# Altium PCB OpenFAN_Micro.PcbDoc (continued)
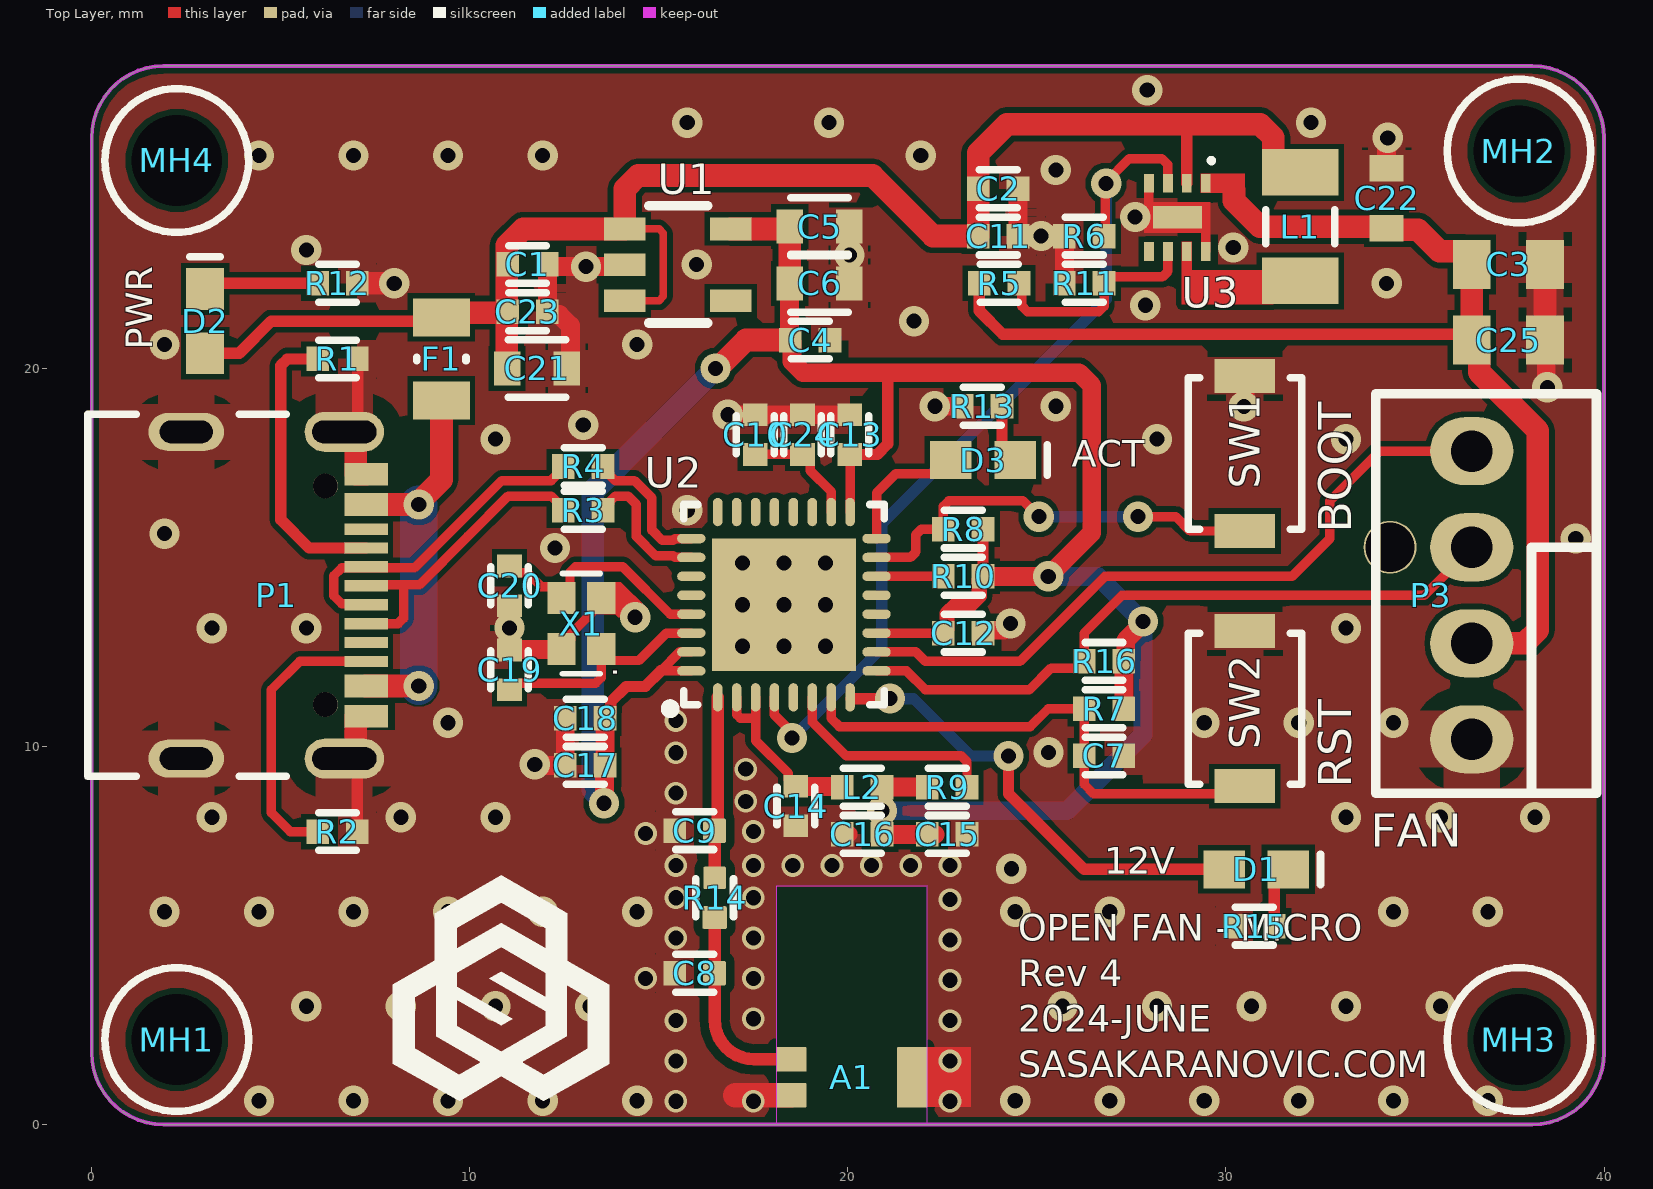
[diagram p0: Top Layer view]
## Footprints (in the part's own frame and the unit in brackets; to place one, negate y for a bottom-side part, rotate by r counter-clockwise, add the part's x,y. Pads: shape width x height; smd on the part's side, far side on the other; paste and mask are expansions set on the pad)
0402#1 [mm] "Chip Resistor, 2-Leads, Body 1,00x0,50mm, IPC Low Density"
  rect 0.6x0.65 smd: 1(-0.525,0) 2(0.525,0)
  silkscreen extent -0.5,-0.5 0.5,0.5, body extent -0.53,-0.28 0.53,0.28, height 0.4
0402#2 [mm] "Chip Resistor, 2-Leads, Body 1,00x0,50mm, IPC Low Density"
  rect 0.6x0.65 smd: 1(-0.525,0)
  rrect15% 0.6x0.65 smd: 2(0.525,0)
  silkscreen extent -0.5,-0.5 0.5,0.5, body extent -0.53,-0.28 0.53,0.28, height 0.4
0402#3 [mm] "Chip Resistor, 2-Leads, Body 1,00x0,50mm, IPC Low Density"
  rrect15% 0.6x0.65 smd: 1(-0.525,0)
  rrect15% 0.6x0.6 smd: 2(0.525,0)
  silkscreen extent -0.5,-0.5 0.5,0.5, body extent -0.53,-0.28 0.53,0.28, height 0.4
"0603 - CAP" [mm]
  rect 0.7x0.9 smd: 1(-0.79,0) 2(0.79,0)
  silkscreen extent -0.76,-0.76 0.76,0.76, body extent -0.8,-0.44 0.8,0.46, height 0.8
0805 [mm]
  rect 1x1.3 smd: 1(-0.97,0) 2(0.97,0)
  body extent -1,-0.65 1,0.66, height 0.73
CD1608-0603 [mm] "Chip Diode; Body 1.6 x 0.8 mm (LxW typ)"
  rect 1.1x1 smd: A(-0.85,0) K(0.85,0)
  silkscreen extent 1.7,-0.4 1.7,0.4, body extent -0.8,-0.4 0.8,0.4, height 0.6
FAN_Connector_4pin [mm] "4 Pin PC Fan Connector Header"
  oval 1.8x2.2 hole 1.1: 1(3.81,0) 2(1.27,0) 3(-1.27,0) 4(-3.81,0)
  round 1.4 hole 1.3: ""(-1.27,-2.16)
  silkscreen extent -5.33,-2.54 5.23,3.3, body extent -5.15,-2.59 5.05,3.25, height 10
FUSE_2114X12N [mm] "Chip FUSE,  2-Leads, Body 2.10x1.35mm, IPC Medium Density"
  rect 1x1.5 smd: 1(-1.1,0) 2(1.1,0)
  silkscreen extent -0.05,-0.65 0.05,0.65, body extent -1.1,-0.75 1.1,0.75, height 1.25
GCT_USB4105-GF-A [mm]
  oval 1x2 hole 0.6 slot 1.4 at 90 deg paste+0: 15(-4.32,0) 17(4.32,0)
  oval 1.05x2.1 hole 0.6 slot 1.7 at 90 deg paste+0: 16(-4.32,4.18) 18(4.32,4.18)
  rect 0.6x1.15 smd: A1/B12(-3.2,4.755) A4/B9(-2.4,4.755) B1/A12(3.2,4.755) B4/A9(2.4,4.755)
  rect 0.3x1.15 smd: A5(-1.25,4.755) A6(-0.25,4.755) A7(0.25,4.755) A8(1.25,4.755) B5(1.75,4.755) B6(0.75,4.755) B7(-0.75,4.755) B8(-1.75,4.755)
  round 0.65 hole 0.65 unplated: ""(-2.89,3.68) ""(2.89,3.68)
  silkscreen extent -4.79,-2.6 4.79,2.65, body extent -4.79,-2.63 4.79,5.08, height 3.31
INDC3218X20N [mm] "Chip Inductor, 2-Leads, Body 3.20x1.80mm, IPC Medium Density"
  rect 1.23x2.02 smd: 1(-1.435,0) 2(1.435,0)
  silkscreen extent -0.45,-0.91 0.45,0.91, body extent -1.7,-1 1.7,1, height 2
MH-M3 [mm]
  round 0 hole 2.4 unplated: ""(0,0)
  silkscreen extent -1.9,-1.9 1.9,1.9
QFN50P500X500X100_HS-33N [mm] "QFN, 32-Leads, Body 5.00x5.00mm, Pitch 0.50mm, Thermal Pad 3.50x3.80mm, IPC Medium Density"
  oval 0.75x0.25 smd: 1(-2.45,1.75) 2(-2.45,1.25) 3(-2.45,0.75) 4(-2.45,0.25) 5(-2.45,-0.25) 6(-2.45,-0.75) 7(-2.45,-1.25) 8(-2.45,-1.75) 17(2.45,-1.75) 18(2.45,-1.25) 19(2.45,-0.75) 20(2.45,-0.25) 21(2.45,0.25) 22(2.45,0.75) 23(2.45,1.25) 24(2.45,1.75)
  oval 0.25x0.75 smd: 9(-1.75,-2.45) 10(-1.25,-2.45) 11(-0.75,-2.45) 12(-0.25,-2.45) 13(0.25,-2.45) 14(0.75,-2.45) 15(1.25,-2.45) 16(1.75,-2.45) 25(1.75,2.45) 26(1.25,2.45) 27(0.75,2.45) 28(0.25,2.45) 29(-0.25,2.45) 30(-0.75,2.45) 31(-1.25,2.45) 32(-1.75,2.45)
  rect 3.5x3.8 smd: 33(0,0)
  silkscreen extent -2.87,-2.65 2.65,3.13, body extent -2.55,-2.55 2.55,2.55, height 1
SON50P200X85_HS-9N [mm] "SON, 8-Leads, Body 2.00x2.00mm, Pitch 0.50mm, Thermal Pad 1.15x0.60mm, IPC Medium Density"
  rect 0.5x0.26 smd: 1(-0.9,0.75) 2(-0.9,0.25) 3(-0.9,-0.25) 4(-0.9,-0.75) 5(0.9,-0.75) 6(0.9,-0.25) 7(0.9,0.25) 8(0.9,0.75)
  rect 0.6x1.3 smd: EP(0,0)
  silkscreen extent -1.55,0.85 -1.45,0.95, body extent -1,-1 1,1, height 0.6
SOT-23-5 [mm]
  rect 1.1x0.6 smd: 1(-1.4,0.94) 2(-1.4,-0.01) 3(-1.4,-0.96) 4(1.4,-0.96) 5(1.4,0.94)
  silkscreen extent -0.76,-1.55 0.79,1.55, body extent -1.4,-1.45 1.4,1.45
Switch-XDTD-0304-215 [mm]
  rect 0.9x1.6 smd: 1(-2.05,0) 2(2.05,0)
  silkscreen extent -2,-1.5 2,1.5, body extent -2,-1.5 2,1.5, height 1.5
W3008C [mm] "RF ANT 2.4GHZ CHIP SOLDER SMD"
  rrect5% 0.8x0.65 smd: 1(1.6,-0.475) 2(1.6,0.475)
  rrect5% 0.8x1.6 smd: 2(-1.6,0)
  Keep-Out Layer region: -2,-5.05 2,-5.05 2,1.2 -2,1.2
  Multi-Layer pour cut-out: -2,1.2 2,1.2 2,1.2 2,-5.05 -2,-5.05 -2,-5.05
  body extent -1.6,-0.8 1.6,0.8, height 1.1
XTAL-4LEAD-2016 [mm]
  rect 0.85x0.75 smd: 1(-0.675,-0.525) 2(0.675,-0.525) 3(0.675,0.525) 4(-0.675,0.525)
  silkscreen extent -1.33,-0.5 1.33,0.5, body extent -1,-0.8 1,0.8, height 0.7

## Part data
A1: library part ANT-W3008C, "2.4GHz Bluetooth, WLAN, Zigbee™ Chip RF Antenna 2.4GHz ~ 2.483GHz 1.3dBi Solder Surface Mount", Distributor Part Number=C581403, Manufacturer="Pulse Electronics", Manufacturer Part Number=W3008C, Distributor=LCSC
C1 C11: "Capacitor", Distributor Part Number=C408132, Manufacturer="Murata Electronics", Manufacturer Part Number=GRM155R61A106ME11D, Temp Rating=X7R, Voltage=10V, Distributor=LCSC
C2 C4 C12 C14 C15 C17 C23: "Capacitor", Distributor Part Number=C155422, Manufacturer="Samsung Electro-Mechanics", Manufacturer Part Number=CL05B104KA5NNNC, Temp Rating=X7R, Voltage=25V, Distributor=LCSC
C3 C25: "Capacitor", Distributor Part Number=C95841, Manufacturer="Samsung Electro-Mechanics", Manufacturer Part Number=CL21B106KOQNNNE, Temp Rating=X7R, Voltage=16V, Distributor=LCSC
C5 C6 C21: "Capacitor", Distributor Part Number=C2959727, Manufacturer="Murata Electronics", Manufacturer Part Number=GRM188Z71A106KA73D, Temp Rating=X7R, Voltage=10V, Distributor=LCSC
C7 C10 C13 C18 C24: "Capacitor", Distributor Part Number=C29266, Manufacturer="Samsung Electro-Mechanics", Manufacturer Part Number=CL05A105KO5NNNC, Temp Rating=X5R, Voltage=16V, Distributor=LCSC
C8 C9: "Capacitor"
C16: "Capacitor", Distributor Part Number=C408132, Manufacturer="Murata Electronics", Manufacturer Part Number=GRM155R61A106ME11D, Voltage=10V, Distributor=LCSC
C19 C20: "Capacitor", Distributor Part Number=C472443, Manufacturer="Samsung Electro-Mechanics", Manufacturer Part Number=CL05C080DB51PNC, Temp Rating=NP0, Voltage=50V, Distributor=LCSC
C22: "Capacitor", Distributor Part Number=C559769, Manufacturer=YAGEO, Manufacturer Part Number=CC0603KRX7R9BB105, Temp Rating=X7R, Voltage=50V, Distributor=LCSC
D1 D3: "Typical RED GaAs LED", Distributor Part Number=C2900098, Manufacturer="ams-OSRAM USA INC.", Manufacturer Part Number="LW Q38G-Q2OO-3K5L-1", Distributor=LCSC
D2: library part LED-0603-5mA-RED, "5mA 26.05mcd 无色透明透镜 -30℃~+85℃ 631nm Red 130° 50mW 2V 0603 Light Emitting Diodes (LED) ROHS", Distributor Part Number=C157741, Manufacturer=Lite-On, Manufacturer Part Number=LTST-C193KRKT-5A, Test Current=5mA, Color=RED, Distributor=LCSC
F1: library part Fuse-PTC-0805-0.5A_6V, "6V 1.1A 40A 2.2A 0805 Resettable Fuses ROHS", Distributor Part Number=C89658, Manufacturer=BOURNS, Manufacturer Part Number=MF-PSMF110X-2, Distributor=LCSC
L1: library part "L-2520-10uH 850mA 480mOhm", "10 µH Shielded Drum Core, Wirewound Inductor 850 mA 480mOhm Max 1008 (2520 Metric)", Distributor Part Number=C3033274, Manufacturer="Pulse Electronics", Manufacturer Part Number=BWMR00252012100M00, Distributor=LCSC
L2: library part "Inductor - 2.2nH", "1.1A 2.2nH 100mΩ 0603 Inductors (SMD) ROHS", Distributor Part Number=C162540, Manufacturer="Murata Electronics", Manufacturer Part Number=LQG15HS2N2B02D, Distributor=LCSC
MH1 MH2 MH3 MH4: library part "Mounting Hole - M3", "Board Mounting Hole"
P1: library part "USB-C Recepticle -USB-TYPE-C-019", "3A 1 Surface Mount 16P Female -25℃~+85℃ Type-C SMD USB Connectors ROHS", Distributor Part Number=C2927039, Manufacturer=DEALON, Manufacturer Part Number=USB-TYPE-C-019, Distributor=LCSC
P3: library part "Header 4-pin Intel Fan", "4 Positions Header Connector 0.100\" (2.54mm) Through Hole Tin", Distributor Part Number=C3025061, Manufacturer=Molex, Manufacturer Part Number=0470531000, Distributor=LCSC
R1 R2 R7 R8 R9 R10 R11: "Resistor", Distributor Part Number=C105872, Manufacturer=YAGEO, Manufacturer Part Number=RC0402FR-075K1L, Power Rating=100mW, Tolerance=1%, Distributor=LCSC
R3 R4: "Resistor", Distributor Part Number=C138021, Manufacturer=YAGEO, Manufacturer Part Number=RC0402FR-0727RL, Power Rating=100mW, Tolerance=1%, Distributor=LCSC
R5: library part "R-0603-44K2 1%", "44.2 kOhms ±1% 0.1W, 1/10W Chip Resistor 0603 (1608 Metric) Moisture Resistant Thick Film", Distributor Part Number=C354260, Manufacturer=YAGEO, Manufacturer Part Number=RC0402FR-0744K2L, Power Rating=100mW, Tolerance=1%, Distributor=LCSC
R6 R16: "Resistor", Distributor Part Number=C60490, Manufacturer=YAGEO, Manufacturer Part Number=RC0402FR-0710KL, Distributor=LCSC
R12: library part "R-0603-470R 1%", "470Ω 100mW Thick Film Resistors ±0.5% ±100ppm/℃ 0603 Chip Resistor - Surface Mount ROHS", Distributor Part Number=C6378047, Manufacturer=YAGEO, Manufacturer Part Number=RC0402FR-10680RL, Power Rating=100mW, Tolerance=1%, Distributor=LCSC
R13 R15: "Resistor", Distributor Part Number=C6378047, Manufacturer=YAGEO, Manufacturer Part Number=RC0402FR-10680RL, Distributor=LCSC
R14: "Resistor", Distributor Part Number=C60485, Manufacturer=YAGEO, Manufacturer Part Number=RC0402JR-070RL, Power Rating=100mW, Tolerance=5%, Distributor=LCSC
SW1 SW2: library part "Switch -XDTD-0304-215", "50mA Surface Mount SPST 100MΩ 100,000 Times 12V 160gf@±50gf SMD Tactile Switches ROHS", Distributor Part Number=C7498203, Manufacturer="Lian Xin Technology", Manufacturer Part Number=XDTD-0304-215, Distributor=LCSC
U1: library part AP7366-33W5-7, "600mA null 3.3V positive 6V SOT-25 Linear Voltage Regulators (LDO) ROHS", Distributor Part Number=C526385, Manufacturer="Diodes Incorporated", Distributor=LCSC, Manufacturer Part Number=AP7366-33W5-7
U2: "Ultra-Low-Power SoC with RISC-V Single-Core CPU 2.4 GHz Wi-Fi (802.11 b/g/n) and Bluetooth® 5 (LE)", Distributor Part Number=C2858491, Manufacturer="Espressif Systems", Manufacturer Part Number=ESP32-C3FH4, Distributor=LCSC
U3: "Boost Switching Regulator IC Positive Adjustable 2.5V 1 Output 750mA (Switch) 8-VFDFN Exposed Pad, 8-MLF®", Distributor Part Number=C144214, Manufacturer="Microchip Technology", Distributor=LCSC, Manufacturer Part Number=MIC2290YML-TR
X1: library part XTAL-40MHz-R940000171, "40MHz 9pF ±10ppm SMD2016-4P Crystals ROHS", Distributor Part Number=C2929402, Manufacturer=TROQ, Manufacturer Part Number=R940000171, Distributor=LCSC

## Via types
v1: diameter 0.8, hole 0.4, Top Layer to Bottom Layer, tented both sides, 99 vias
v2: diameter 0.6, hole 0.4, Top Layer to Bottom Layer, tented both sides, 31 vias
v3: diameter 0.8, hole 0.4, Top Layer to Bottom Layer, tented bottom, 9 vias

## Nets (pads, with @x,y where several pads share a name; then routed paths per layer and width w, separated by ;. In a path a pad name is that pad's centre, name@x,y a point inside that pad or via, vN(x,y) a via of type N, cw(c..) or ccw(c..) an arc to the next point about the centre after c; other vN are vias at no path point)
3V3: C4.2 C5.2 C6.2 C12.2 C13.2 C15.2 C16.2 C17.2 C18.2 L2.2 R7.1 R8.1 R9.1 R10.1 R16.2 U1.5 U2.11 U2.17 U2.31 U2.32 | length 71.8
  Top Layer w0.25: U2.32 15.05,12 15.55,12.5 U2.31 ; C13.2 20.058,17.717 U2.17 ; U2.11 C12.2
  Top Layer w0.3: C18.2 13.725,10.9 13.725,11.175 14.138,11.588 14.638,11.588 15.05,12 ; C13.2 20.775,17.725 21.05,18 21.05,19.886 ; 21.25,19.886 21.25,19.901 ; R10.1 R8.1
  Top Layer w0.4: C12.2 22.625,13.1 22.625,13.516 22.859,13.75 23.241,13.75 23.475,13.984 23.475,14.4 R10.1
  Top Layer w0.5: v1(13.55,8.5) 13.563,8.513 13.563,9.487 C17.2 C18.2 ; C6.2 18.46,20.75 C4.2 18.525,20.7 18.525,20.179 18.818,19.886 21.05,19.886 21.25,19.886 26.114,19.886 26.45,19.55 26.45,15.65 v1(25.3,14.5) R10.1 ; C16.2 v1(20.9,8.3) L2.2 R9.1 ; C16.2@21.1,7.675 C15.2 C15.2@22.3,7.675 ; R7.1 R16.2 27.35,12.3 27.35,12.807 27.804,13.261 v1(27.804,13.304)
  Top Layer w0.6: v1(16.5,20) 16.554,20 17.304,20.75 C4.2@18.46,20.75 ; U1.5 18.41,23.69 C5.2@18.46,23.74 ; C6.2 C5.2@18.46,23.74 ; C5.2 C5.2@18.46,23.74
  Bottom Layer w0.5: v1(20.9,8.3) 25.8,8.3 27.804,10.304 v1(27.804,13.304) 26.608,14.5 v1(25.3,14.5) v1@25.25,14.5
  Bottom Layer w0.6: v1(13.55,8.5) 13.55,8.554 13.25,8.854 13.25,16.75 v1(16.5,20)
5V_USB: C1.2 C2.2 C11.2 C21.2 C23.2 D2.A F1.2 L1.1 U1.1 U1.3 U3.2 | length 43.3
  Top Layer w0.2: U1.3 15.004,21.79 15.122,21.907 15.122,23.573 15.004,23.69 U1.1
  Top Layer w0.3: D2.A 3.9,20.4 4.75,21.25 F1.2@9.1,21.25 ; U3.2 28.963,26.423 29,26.46
  Top Layer w0.6: F1.2 9.375,21.475 11,21.475 C23.2 ; C21.2@10.975,20 C23.2@10.975,21.45 ; C23.2@10.975,21.5 10.975,23.25 11.415,23.69 U1.1 14.1,24.749 14.451,25.1 20.65,25.1 22.25,23.5 C11.2 C2.2 23.45,25.7 24.21,26.46 29,26.46 30.902,26.46 31.253,26.109 31.253,25.497 31.568,25.182 L1.1
BOOT: R8.2 SW1.1 U2.15 | length 11.1
  Top Layer w0.25: U2.15 21.654,15 21.8,15.146 21.8,15.604 21.946,15.75 R8.2 22.525,16.354 22.671,16.5 24.629,16.5 v1(25.05,16.079) ; v1(27.671,16.079) 28.671,16.079 29.05,15.7 SW1.1
  Bottom Layer w0.3: v1@25.25,16.079 v1(27.671,16.079)
CHIP_EN: C7.2 R7.2 SW2.1 U2.7 | length 14
  Top Layer w0.25: U2.7 19.558,10.742 19.775,10.525 24.825,10.525 25.3,11 R7.2 C7.2 26.25,9 26.5,8.75 30.3,8.75 SW2.1
DCDC_EN: R6.2 U2.4 U3.3 | length 23.3
  Top Layer w0.25: U2.4 18.058,10.837 18.521,10.374 v1(18.521,10.225) ; R6.2 26.803,23.528 26.803,24.861 v1(26.831,24.889) 26.831,24.939 27.443,25.55 28.302,25.55 28.458,25.393 28.458,24.902 U3.3
  Bottom Layer w0.3: v1(18.521,10.225) 20.891,12.595 20.891,15.891 26.831,21.831 v1(26.831,24.889)
FAN_PWM: P3.4 U2.10 | length 18.7
  Top Layer w0.25: U2.10 21.8,12.5 22.05,12.25 24.55,12.25 26.8,14.5 31.75,14.5 32.75,15.5 32.75,16.5 34.06,17.81 P3.4
FAN_TACH: P3.3 R16.1 U2.9 | length 18
  Top Layer w0.25: U2.9 21.55,12 22.05,11.5 24.8,11.5 25.375,12.075 26.075,12.075 R16.1 26.25,13 27.25,14 35.25,14 36.5,15.25 P3.3
GND: A1.2 C1.1 C2.1 C3.1 C4.1 C5.1 C6.1 C7.1 C8.1 C9.1 C10.1 C11.1 C12.1 C13.1 C14.1 C15.1 C16.1 C17.1 C18.1 C19.2 C20.1 C21.1 C22.1 C23.1 C24.1 C25.1 P1.15 P1.16 P1.17 P1.18 P1.A1/B12 P1.B1/A12 P3.1 R1.2 R2.2 R6.1 R11.1 R12.1 R13.1 R15.1 SW1.2 SW2.2 U1.2 U2.33 U3.4 U3.8 U3.EP X1.2 X1.4 | length 39.3
  Top Layer w0.25: X1.4 12.675,12.825 12.675,12.981 13.225,13.531 13.225,13.675 X1.2 ; U3.4 27.963,24.097 28.124,23.937 U3.EP@28.124,23.918 ; U3.EP@29.25,24 29.317,24 29.463,23.854 U3.8
  Top Layer w0.3: P1.18 7.025,9.335 R2.2 ; P1.16@7.04,18.666 R1.2@7.04,20.25
  Top Layer w0.4: C14.1 C14.1@18.649,7.876 ; C16.1@19.75,7.8 C16.1@19.85,7.7 ; C16.1@20.05,7.675 C16.1@20.05,7.7
  Top Layer w0.5: C20.1 C19.2 11.063,12.562 X1.4@12.413,12.562 ; v1@11.744,9.5 C17.1 C18.1 ; C23.1 C1.1 12.05,22.742 12.1,22.692 14.052,22.692 U1.2 ; C23.1@12.082,21.532 12.082,21.443 12.1,21.425 12.367,21.425 12.66,21.132 12.66,20.095 C21.1 ; v1(16.825,18.775) C10.1 C24.1 C13.1 ; C4.1 C4.1@19.575,20.8 ; C6.1@19.94,22.15 C6.1 C5.1 ; v1(22.3,19) R13.1 ; C12.1 23.575,13.025 23.625,13.075 24.125,13.075 v1(24.3,13.25) ; C2.1 C11.1 R6.1 R11.1 ; v1@30.5,19.019 SW1.2 ; C22.1 v1@34.25,26.071 ; C25.1@38.362,20.773 C25.1@38.44,20.852 ; 38.44,21.801 38.44,20.912 38.5,20.852 38.47,20.822 38.47,19.53 v1(38.5,19.5)
  Top Layer w0.6: P1.18 6.772,9.68 6.98,9.888 6.98,10.8 P1.B1/A12 ; P1.16 6.772,18.32 6.98,18.112 6.98,17.2 P1.A1/B12 ; R12.1@7.04,22.25 v1(8,22.25) ; C25.1@38.44,20.852 38.44,21.801 C3.1
  Top Layer w0.65: 17.025,0.775 A1.2@18.5,0.775
  other v1: 4.426,0.629 6.926,0.629 9.426,0.629 11.926,0.629 14.426,0.629 24.426,0.629 26.926,0.629 29.426,0.629 31.926,0.629 34.426,0.629 36.926,0.629 5.676,3.129 8.176,3.129 10.676,3.129 13.176,3.129 25.676,3.129 28.176,3.129 30.676,3.129 33.176,3.129 35.676,3.129 1.926,5.629 4.426,5.629 6.926,5.629 9.426,5.629 11.926,5.629 14.426,5.629 24.426,5.629 26.926,5.629 34.426,5.629 36.926,5.629 24.323,6.767 3.176,8.129 8.176,8.129 10.676,8.129 33.176,8.129 35.676,8.129 38.176,8.129 11.717,9.527 25.304,9.846 9.426,10.629 29.426,10.629 31.926,10.629 34.426,10.629 3.176,13.129 5.676,13.129 11.05,13.137 33.176,13.129 14.373,13.42 12.25,15.25 39.25,15.5 1.926,15.629 15.75,16.25 10.676,18.129 28.176,18.129 33.176,18.129 13,18.5 25.5,19 30.473,18.992 1.926,20.629 14.426,20.629 21.75,21.25 27.867,21.671 34.25,22.25 13.076,22.692 16,22.75 20.04,23 5.676,23.129 30.194,23.196 25.113,23.5 27.598,24.002 25.5,25.25 4.426,25.629 6.926,25.629 9.426,25.629 11.926,25.629 21.926,25.629 34.277,26.098 15.75,26.5 19.5,26.5 32.25,26.5 27.917,27.359
  other v2: 15.45,0.617 17.5,0.617 22.7,0.617 15.45,1.683 22.7,1.683 15.45,2.75 22.7,2.75 17.5,2.8 22.7,3.817 14.65,3.867 17.5,3.867 22.7,4.883 15.45,4.933 17.5,4.933 22.7,5.95 15.45,6 17.5,6 15.45,6.85 17.5,6.85 18.54,6.85 19.58,6.85 20.62,6.85 21.66,6.85 22.7,6.85 14.65,7.7 17.5,7.75 17.3,8.55 15.45,8.767 17.3,9.4 15.45,9.833 15.45,10.683
  other v3: 17.208,12.65 18.308,12.65 19.408,12.65 17.208,13.75 18.308,13.75 19.408,13.75 17.208,14.85 18.308,14.85 19.408,14.85
GPIO2: R9.2 U2.6 | length 5.9
  Top Layer w0.25: U2.6 19.058,10.648 19.956,9.75 23.004,9.75 23.15,9.604 R9.2
GPIO8: R10.2 U2.14 | length 1.8
  Top Layer w0.25: U2.14 R10.2
LED0: D3.A U2.16 | length 3.5
  Top Layer w0.25: U2.16 20.758,16.708 21.261,17.211 22.361,17.211 D3.A
LED1: D1.A U2.8 | length 12.4
  Top Layer w0.155: U2.8 U2.8@20.092,11.267
  Top Layer w0.3: U2.8@20.092,11.267 v1(21.114,11.267) ; v1(24.25,9.75) 24.25,8.75 26.25,6.75 D1.A
  Bottom Layer w0.3: v1(21.114,11.267) 21.733,11.267 23.25,9.75 v1(24.25,9.75)
NetA1_1: A1.1 C8.2 R14.1 | length 5.3
  Top Layer w0.33: R14.1@16.475,5.43 16.475,2.775 ccw(c17.525,2.775) 17.525,1.725 A1.1
NetC9_2: C9.2 R14.2 U2.1 | length 4.8
  Top Layer w0.33: C9.2 16.558,7.861 U2.1 ; R14.2 C9.2@16.475,7.753
NetC10_2: C10.2 C24.2 U2.18 | length 3.1
  Top Layer w0.25: C10.2 C24.2 18.825,17.725 19,17.55 19,17.3 19.558,16.742 U2.18
NetC14_2: C14.2 L2.1 U2.2 U2.3 | length 5.1
  Top Layer w0.25: U2.2 17.058,10.843 17.151,10.75 17.517,10.75 17.558,10.791 ; U2.3 17.558,10.791 ; C14.2 18.6,8.95 18.425,9.125 18.425,9.291 17.558,10.158 17.558,10.791
  Top Layer w0.5: C14.2 18.637,8.938 19.837,8.938 L2.1
NetC19_1: C19.1 U2.30 X1.1 | length 6.2
  Top Layer w0.25: C19.1 11.223,11.673 13.329,11.673 13.475,11.819 X1.1 13.475,12.525 13.725,12.275 13.871,12.275 14.474,12.275 15.199,13 U2.30
NetC20_2: C20.2 U2.29 X1.3 | length 6.3
  Top Layer w0.25: C20.2 11.225,14.6 11.521,14.6 11.896,14.225 12.175,14.225 12.425,13.975 X1.3 12.649,14.149 12.649,14.604 12.796,14.75 14.05,14.75 15.3,13.5 U2.29
NetD1_K: D1.K R15.2 | length 1.7
  Top Layer w0.3: R15.2 31.275,6.4 31.625,6.75 D1.K
NetD2_K: D2.K R12.2 | length 3
  Top Layer w0.3: D2.K 3.15,22.25 R12.2
NetD3_K: D3.K R13.2 | length 1.6
  Top Layer w0.3: R13.2 24.075,17.925 D3.K
NetF1_1: F1.1 P1.A4/B9 P1.B4/A9 | length 10.6
  Top Layer w0.6: P1.B4/A9 v1(8.65,11.6) ; P1.A4/B9 v1(8.65,16.4) 8.65,16.454 9.25,17.054 F1.1
  Bottom Layer w1: v1(8.65,11.6) v1(8.65,16.4)
NetL1_2: L1.2 U3.7 | length 0.4
  Top Layer w0.6: L1.2@31.7,22.049 L1.2
NetP1_A5: P1.A5 R1.1 | length 7.7
  Top Layer w0.3: R1.1 5.176,20.25 5,20.074 5,16 5.75,15.25 P1.A5
NetP1_B5: P1.B5 R2.1 | length 7.5
  Top Layer w0.25: R2.1 5.25,7.75 4.75,8.25 4.75,11.5 5.5,12.25 P1.B5
NetR5_1: R5.1 R11.2 U3.6 | length 5.9
  Top Layer w0.25: R5.1 24.604,22.171 24.604,21.646 24.75,21.5 26.629,21.5 26.775,21.646 R11.2 26.944,22.419 28.317,22.419 28.463,22.565 U3.6
USB_CON_N: P1.A7 P1.B7 R4.2 | length 8.8
  Top Layer w0.25: P1.A7 7.23,13.775 6.613,13.775 6.403,13.985 6.403,14.515 6.613,14.725 7.23,14.725 P1.B7 7.28,14.725 8.536,14.725 9.537,15.726 10.844,17.033 12.151,17.033 12.297,17.179 12.297,17.231 R4.2
USB_CON_P: P1.A6 P1.B6 R3.2 | length 8.3
  Top Layer w0.25: P1.B6 8.104,13.25 8.25,13.396 8.25,14.245 8.255,14.25 8.255,14.275 ; P1.A6 7.28,14.275 8.255,14.275 ; R3.2 12.3,16.425 12.3,16.476 12.154,16.623 11.013,16.623 9.947,15.556 8.665,14.275 8.255,14.275
USB_N: R4.1 U2.25 | length 3.7
  Top Layer w0.25: R4.1 13.697,17.231 13.697,17.179 13.843,17.033 14.355,17.033 14.815,16.573 14.815,15.724 15.084,15.455 15.377,15.455 15.422,15.5 U2.25
USB_P: R3.1 U2.26 | length 3.7
  Top Layer w0.25: R3.1 13.7,16.425 13.7,16.476 13.846,16.623 14.185,16.623 14.405,16.403 14.405,15.555 14.914,15.045 15.377,15.045 15.422,15 U2.26
V_FAN: C3.2 C22.2 C25.2 P3.2 R5.2 U3.1 | length 33.7
  Top Layer w0.3: R5.2 23.475,21.525 24.1,20.9 36.35,20.9 C25.2
  Top Layer w0.6: 30.213,24.722 30.213,24.435 30.901,23.747 C22.2@34.25,23.747 ; C22.2 34.291,23.669 35.081,23.669 35.65,23.1 36.3,23.1 36.5,22.9 C3.2 C25.2 36.7,20.55 36.7,19.9 38.25,18.35 38.25,13.081 37.899,12.73 P3.2
pads on no net: MH1. MH2. MH3. MH4. P1. P1.A8 P1.B8 P3. U1.4 U2.5 U2.12 U2.13 U2.19 U2.20 U2.21 U2.22 U2.23 U2.24 U2.27 U2.28 U3.5

## Polygon pours and split planes (outlines as drawn)
GND on Layer 1 "GND_L02_P002" (solid, remove dead copper, pour order 2): 0,1.9 0,26.1 cw(c1.9,26.1) 1.9,28 38.1,28 cw(c38.1,26.1) 40,26.1 40,1.9 cw(c38.1,1.9) 38.1,0 1.9,0 cw(c1.9,1.9)
GND on Top Layer "GND_L01_P003" (solid, remove dead copper, pour order 3): 0,1.9 0,26.1 cw(c1.9,26.1) 1.9,28 38.1,28 cw(c38.1,26.1) 40,26.1 40,1.9 cw(c38.1,1.9) 38.1,0 1.9,0 cw(c1.9,1.9)
GND on Layer 2 "GND_L03_P008" (solid, remove dead copper, pour order 8): 0,1.9 0,26.1 cw(c1.9,26.1) 1.9,28 38.1,28 cw(c38.1,26.1) 40,26.1 40,1.9 cw(c38.1,1.9) 38.1,0 1.9,0 cw(c1.9,1.9)

## Keep-outs
Keep-Out Layer:
  the board outline again, w0.1

## Other copper
Top Layer:
  rectangle net GND: 21.7,0.47 23.25,2.05
  region net GND: 13.1,14.35 13.993,14.35 14.704,13.639 14.485,13.42 13.93,13.42 13.85,13.5 13.1,13.5
  region net NetL1_2: 28.833,21.697 31.25,21.697 31.25,22.59 28.833,22.59
  region net NetL1_2: 28.833,23.347 28.833,21.75 29.093,21.75 29.093,23.347
  region net GND: 27.839,24.396 27.839,23.593 29.589,23.593 29.589,24.396
  region net V_FAN: 29.333,25.147 29.333,24.647 30.397,24.647 30.5,24.75 30.5,25.148
  text ".Layer_Name" at 50.3,-2.081 h1
Layer 1:
  text ".Layer_Name" at 50.3,-3.551 h1
Layer 2:
  text ".Layer_Name" at 50.3,-5.021 h1
Bottom Layer:
  text ".Layer_Name" at 50.3,-6.489 h1

## Silkscreen, mask and mechanical layers (free items; w line width, h text height)
Top Overlay:
  region: 12733 vertices and 4 holes, not listed, extent 7.961,0.629 13.691,6.589
  text "PWR" at 1.845,20.488 h1.2 r90
  text "ACT" at 25.925,17.155 h1.2
  text "BOOT" at 33.6,15.648 h1.5 r90
  text "RST" at 33.6,8.905 h1.5 r90
  text "FAN" at 33.826,7.062 h1.5
  text "12V" at 26.779,6.397 h1.2
  text "OPEN FAN - MICRO / Rev 4 / 2024-JUNE / SASAKARANOVIC.COM" at 24.5,1.019 h1.2
  text ".Layer_Name" at 50.3,-0.613 h1
Bottom Overlay:
  region: 12733 vertices and 4 holes, not listed, extent 15.023,13.488 23.527,22.333
  text "PWM (GPIO5)" at 32.669,16.671 h1
  text "RPM (GPIO4)" at 32.669,14.131 h1
  text "Fan +" at 32.669,11.601 h1
  text "FAN -" at 32.669,9.055 h1
  text "OPEN FAN - MICRO / REV 4 / 2024-JUNE / SASAKARANOVIC.COM" at 27.5,5.271 h1.8
  text ".Layer_Name" at 50.404,-8.575 h1
Top Paste:
  text ".Layer_Name" at 50.3,2.332 h1
Top Solder:
  text ".Layer_Name" at 50.3,0.866 h1
Bottom Solder:
  text ".Layer_Name" at 50.404,-10.485 h1
Drill Drawing:
  drawing of 382 lines, arcs and shapes, not listed
  text "Layer" at 67.977,66.59 h1.52
  text "Name" at 78.388,66.59 h1.52
  text "Material" at 102.004,66.59 h1.52
  text "Thickness" at 123.842,66.59 h1.52
  text "Constant" at 140.348,66.59 h1.52
  text "Board Layer Stack" at 154.822,66.59 h1.52
  text "Top Overlay" at 78.388,63.542 h1.52
  text "Top Solder" at 78.388,60.494 h1.52
  text "Solder Resist" at 102.004,60.494 h1.52
  text "0.010mm" at 123.842,60.494 h1.52
  text "3.5" at 140.348,60.494 h1.52
  text "1" at 67.977,57.446 h1.52
  text "Top Layer" at 78.388,57.446 h1.52
  text "0.035mm" at 123.842,57.446 h1.52
  text "Dielectric 2" at 78.388,54.398 h1.52
  text "7628" at 102.004,54.398 h1.52
  text "0.196mm" at 123.842,54.398 h1.52
  text "4.56" at 140.348,54.398 h1.52
  text "2" at 67.977,51.35 h1.52
  text "Layer 1" at 78.388,51.35 h1.52
  text "CF-004" at 102.004,51.35 h1.52
  text "0.035mm" at 123.842,51.35 h1.52
  text "Dielectric 1" at 78.388,48.302 h1.52
  text "FR-4" at 102.004,48.302 h1.52
  text "1.030mm" at 123.842,48.302 h1.52
  text "4.6" at 140.348,48.302 h1.52
  text "3" at 67.977,45.254 h1.52
  text "Layer 2" at 78.388,45.254 h1.52
  text "CF-004" at 102.004,45.254 h1.52
  text "0.035mm" at 123.842,45.254 h1.52
  text "Dielectric 3" at 78.388,42.206 h1.52
  text "7628" at 102.004,42.206 h1.52
  text "0.196mm" at 123.842,42.206 h1.52
  text "4.56" at 140.348,42.206 h1.52
  text "4" at 67.977,39.158 h1.52
  text "Bottom Layer" at 78.388,39.158 h1.52
  text "0.035mm" at 123.842,39.158 h1.52
  text "Bottom Solder" at 78.388,36.11 h1.52
  text "Solder Resist" at 102.004,36.11 h1.52
  text "0.010mm" at 123.842,36.11 h1.52
  text "3.5" at 140.348,36.11 h1.52
  text "Bottom Overlay" at 78.388,33.062 h1.52
  text "Total board thickness:" at 67.977,30.014 h1.52
  text "1.582mm" at 123.842,30.014 h1.52
  text "Symbol" at 68.477,20.565 h1.83
  text "Count" at 81.326,20.565 h1.83
  text "Hole Size" at 96.308,20.565 h1.83
  text "Plated" at 124.24,20.565 h1.83
  text "Hole Type" at 137.089,20.565 h1.83
  text "Drill Layer Pair" at 155.727,20.565 h1.83
  text "Via/Pad" at 193.816,20.565 h1.83
  text "Pad Shape" at 208.798,20.565 h1.83
  text "1" at 81.326,16.755 h1.52
  text "1.300mm (51.18mil)" at 96.308,16.755 h1.52
  text "PTH" at 124.24,16.755 h1.52
  text "Round" at 137.089,16.755 h1.52
  text "Top Layer - Bottom Layer" at 155.727,16.755 h1.52
  text "Pad" at 193.816,16.755 h1.52
  text "Rounded" at 208.798,16.755 h1.52
  text "2" at 81.326,12.945 h1.52
  text "0.600mm (23.62mil)" at 96.308,12.945 h1.52
  text "PTH" at 124.24,12.945 h1.52
  text "Slot" at 137.089,12.945 h1.52
  text "Top Layer - Bottom Layer" at 155.727,12.945 h1.52
  text "Pad" at 193.816,12.945 h1.52
  text "Rounded" at 208.798,12.945 h1.52
  text "2" at 81.326,9.135 h1.52
  text "0.600mm (23.62mil)" at 96.308,9.135 h1.52
  text "PTH" at 124.24,9.135 h1.52
  text "Slot" at 137.089,9.135 h1.52
  text "Top Layer - Bottom Layer" at 155.727,9.135 h1.52
  text "Pad" at 193.816,9.135 h1.52
  text "Rounded" at 208.798,9.135 h1.52
  text "2" at 81.326,5.325 h1.52
  text "0.650mm (25.59mil)" at 96.308,5.325 h1.52
  text "NPTH" at 124.24,5.325 h1.52
  text "Round" at 137.089,5.325 h1.52
  text "Top Layer - Bottom Layer" at 155.727,5.325 h1.52
  text "Pad" at 193.816,5.325 h1.52
  text "Rounded" at 208.798,5.325 h1.52
  text "4" at 81.326,1.515 h1.52
  text "1.100mm (43.31mil)" at 96.308,1.515 h1.52
  text "PTH" at 124.24,1.515 h1.52
  text "Round" at 137.089,1.515 h1.52
  text "Top Layer - Bottom Layer" at 155.727,1.515 h1.52
  text "Pad" at 193.816,1.515 h1.52
  text "Rounded" at 208.798,1.515 h1.52
  text "4" at 81.326,-2.295 h1.52
  text "2.400mm (94.49mil)" at 96.308,-2.295 h1.52
  text "NPTH" at 124.24,-2.295 h1.52
  text "Round" at 137.089,-2.295 h1.52
  text "Top Layer - Bottom Layer" at 155.727,-2.295 h1.52
  text "Pad" at 193.816,-2.295 h1.52
  text "Rounded" at 208.798,-2.295 h1.52
  text "139" at 81.326,-6.105 h1.52
  text "0.400mm (15.75mil)" at 96.308,-6.105 h1.52
  text "PTH" at 124.24,-6.105 h1.52
  text "Round" at 137.089,-6.105 h1.52
  text "Top Layer - Bottom Layer" at 155.727,-6.105 h1.52
  text "Via" at 193.816,-6.105 h1.52
  text "Rounded" at 208.798,-6.105 h1.52
  text "154 Total" at 81.326,-9.915 h1.52
  text "Slot definitions :" at 68.477,-13.597 h1.52
  text "Routed Path Length" at 94.707,-13.597 h1.52
  text "= Calculated from tool start centre position to tool end centre position." at 122.715,-13.597 h1.52
  text "Hole Length" at 94.707,-16.137 h1.52
  text "= Routed Path Length + Tool Size = Slot length as defined in the PCB layout" at 112.304,-16.137 h1.52
  text "1. This design contains controlled impedance lines: / - Single ended 50 Ohm trace on TOP layer with width of 0.33mm reference GND pour on Layer 2 / - Differential pair 90 Ohm traces on TOP layer with width of 0.25mm reference GND pour on Layer 2 /  / PCB vendor may modify the stackup and/or trace width in order to achieve required impedances /  / Board Thickness to be 1.6mm / Soldermask: Black / Silkscreen: White" at 64.75,-70.356 h1.7

## Dimensions
38.1,28.1 to 38.1,-0.1 on Drill Drawing
-0.1,1.9 to 40.1,1.9 on Drill Drawing

## Text inside footprints (layer, text, board x,y; h text height)
A1: Mechanical 7 "KEEPOUT" at 21.766,3.65 h0.5 r180; Mechanical 7 "PCB EDGE" at 22.016,-0.35 h0.5 r180
P1: Mechanical 13 "PCB EDGE" at 0.087,8.793 h0.41 r270